# Altium PCB FlatSat Half 2.PcbDoc (part 1 of 9)
Units mil, origin at the board's own origin, x right, y up, seen from the top; angles counter-clockwise.
Board outline 4682 x 11604 mil, 4 copper layers (Top Layer, STR GND 1, STR GND 2, Bottom Layer), stack 33.434 mil thick; 231 components, 255 nets, 990 pads, 1104 vias.
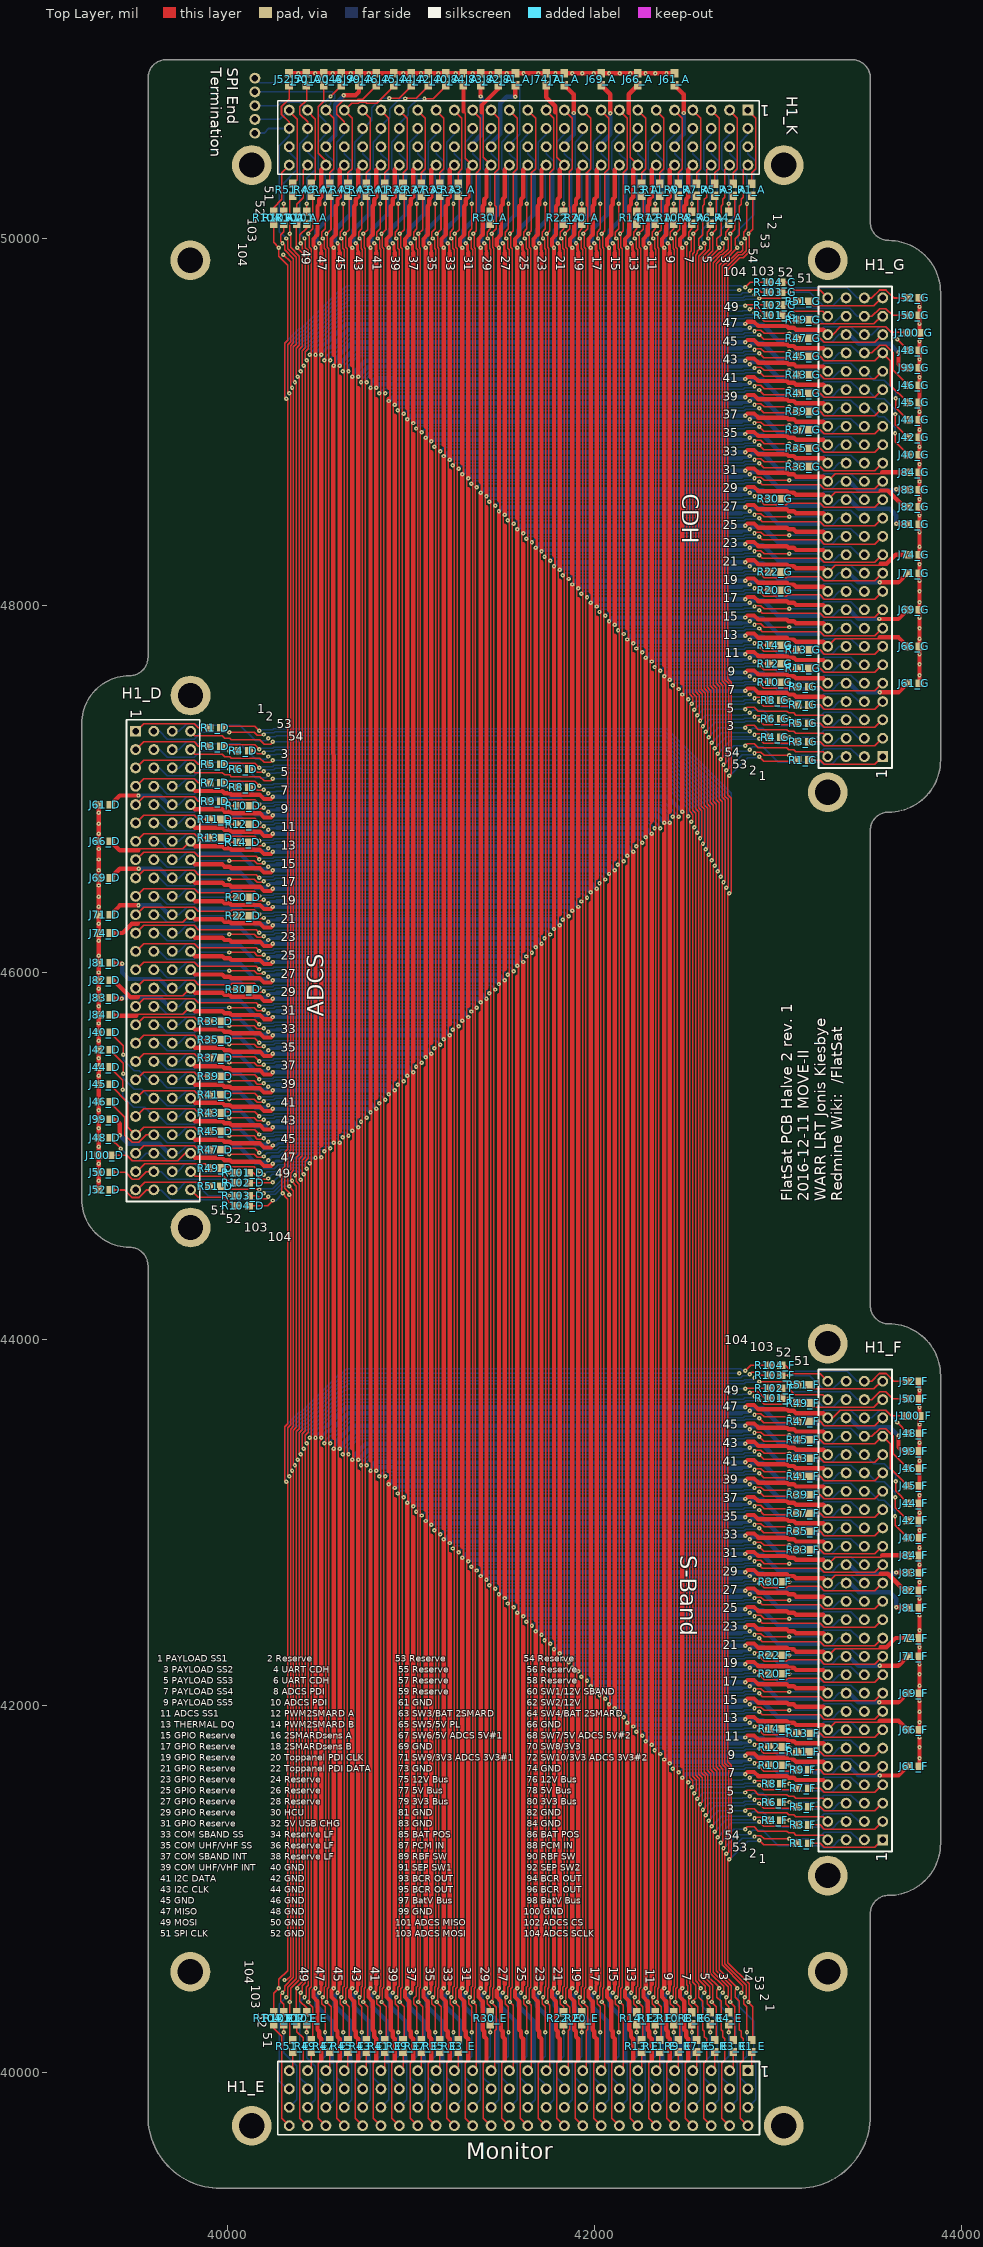
[diagram p0: Top Layer view]
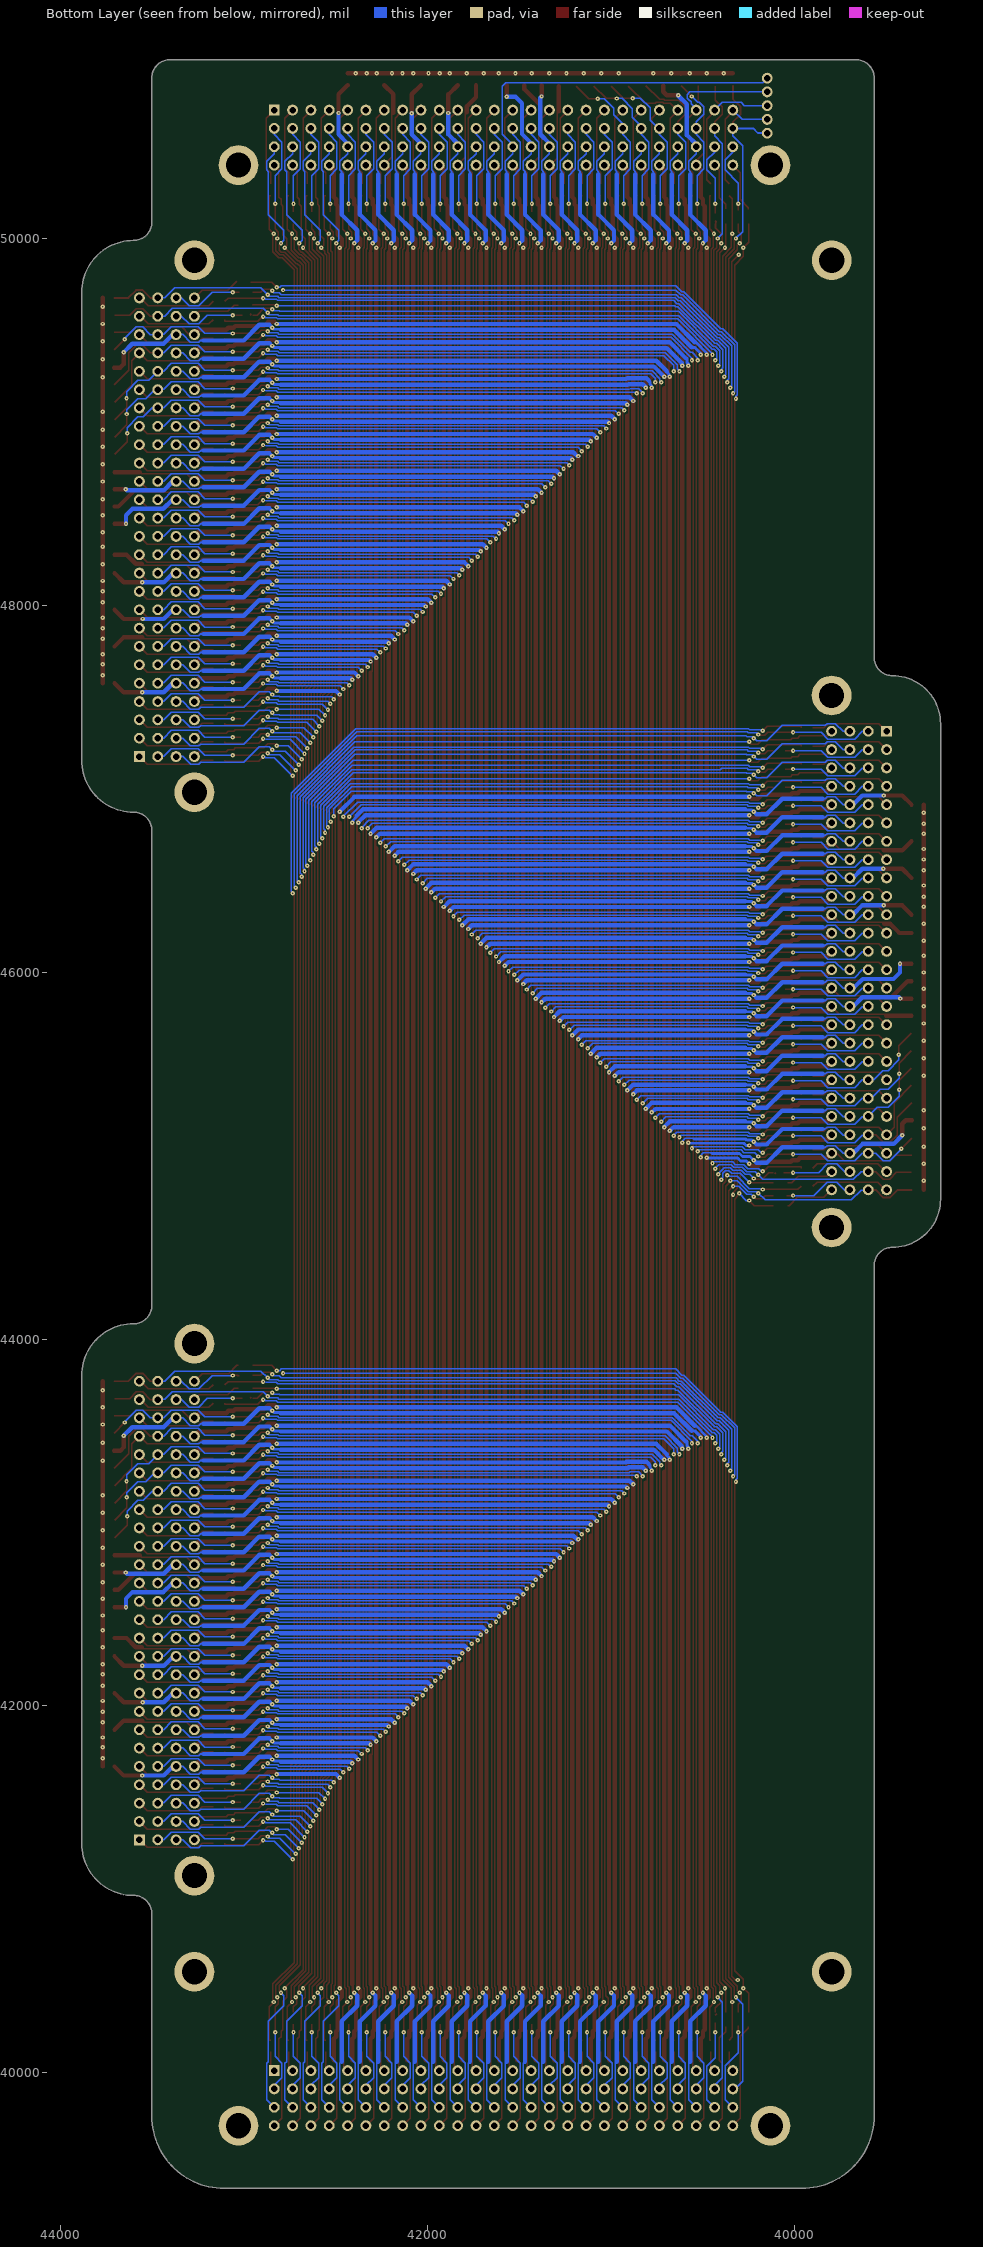
[diagram p1: Bottom Layer view, seen from below]
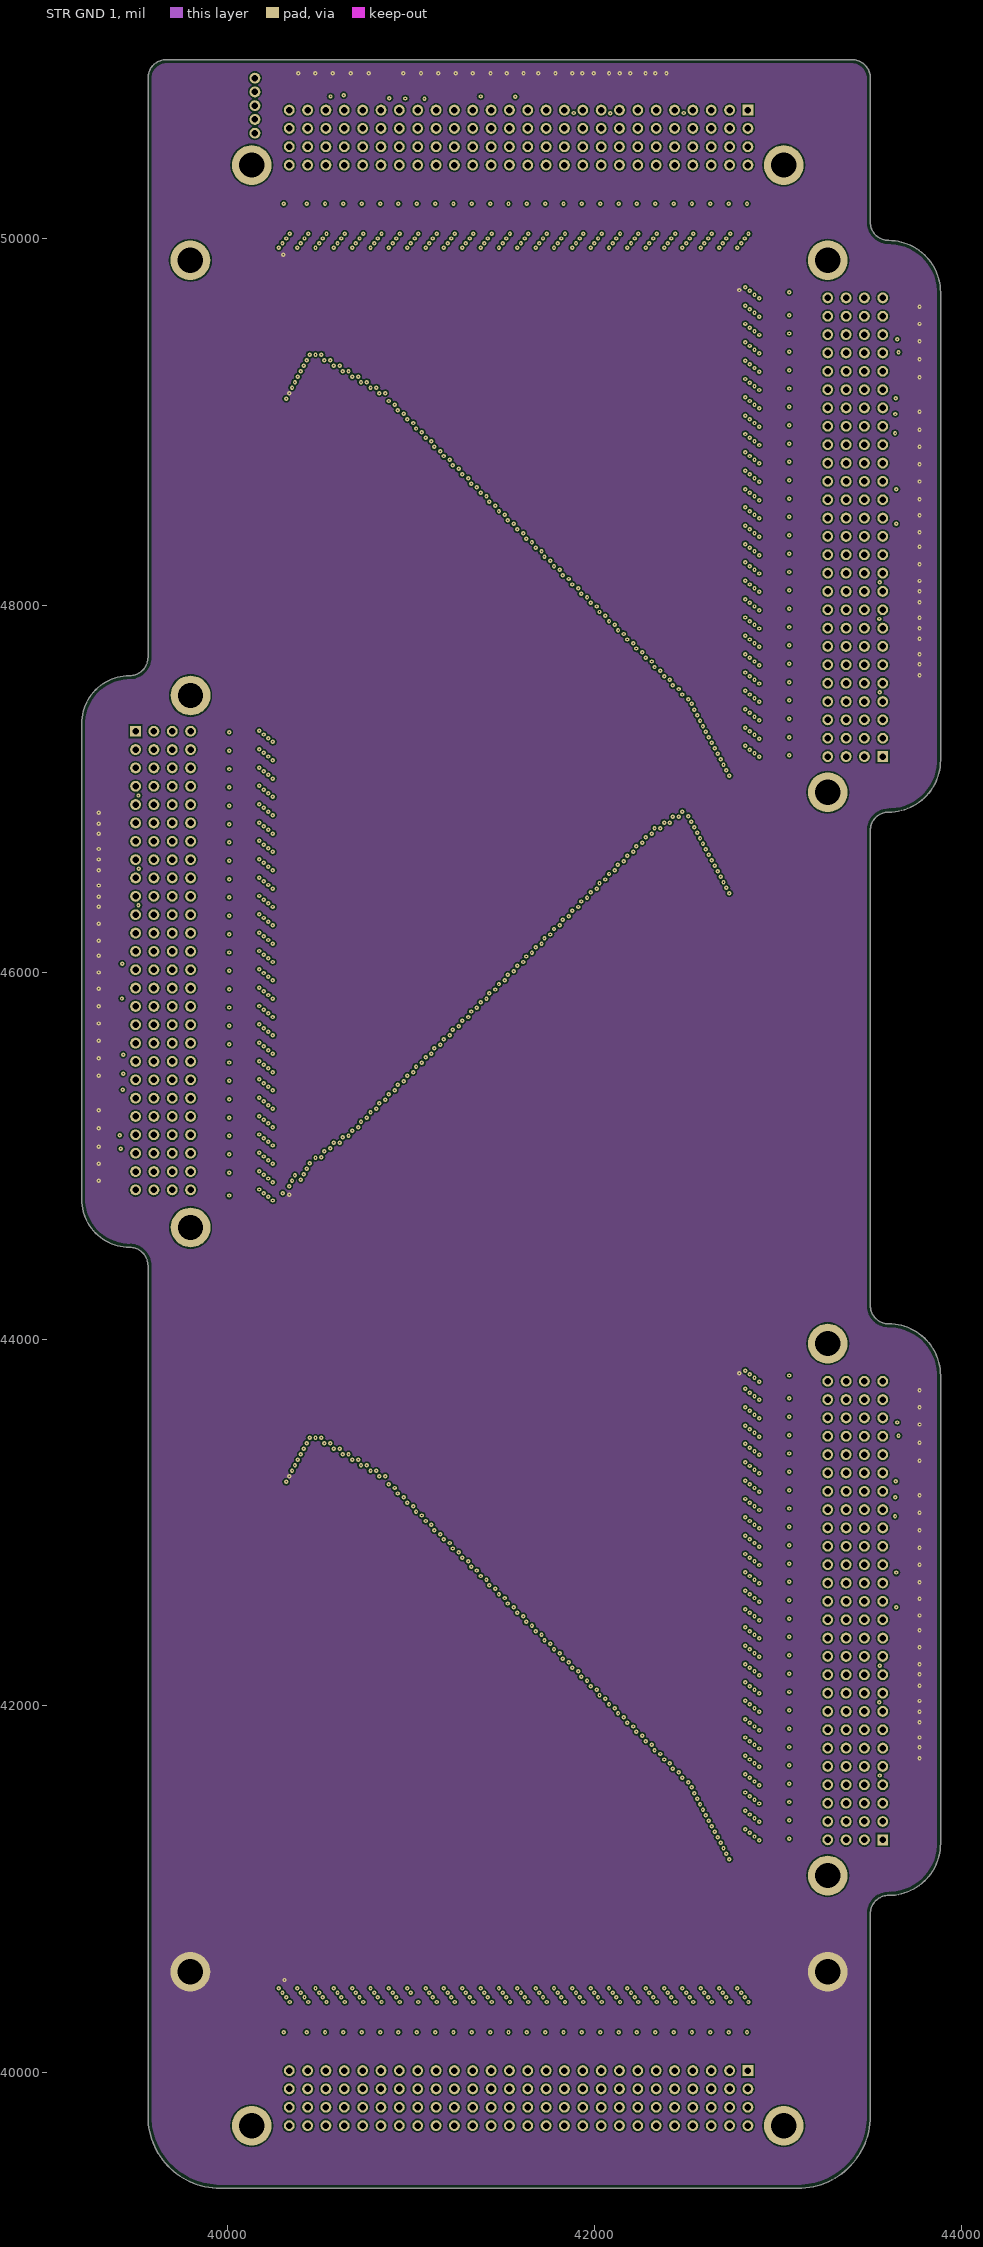
[diagram p2: STR GND 1]
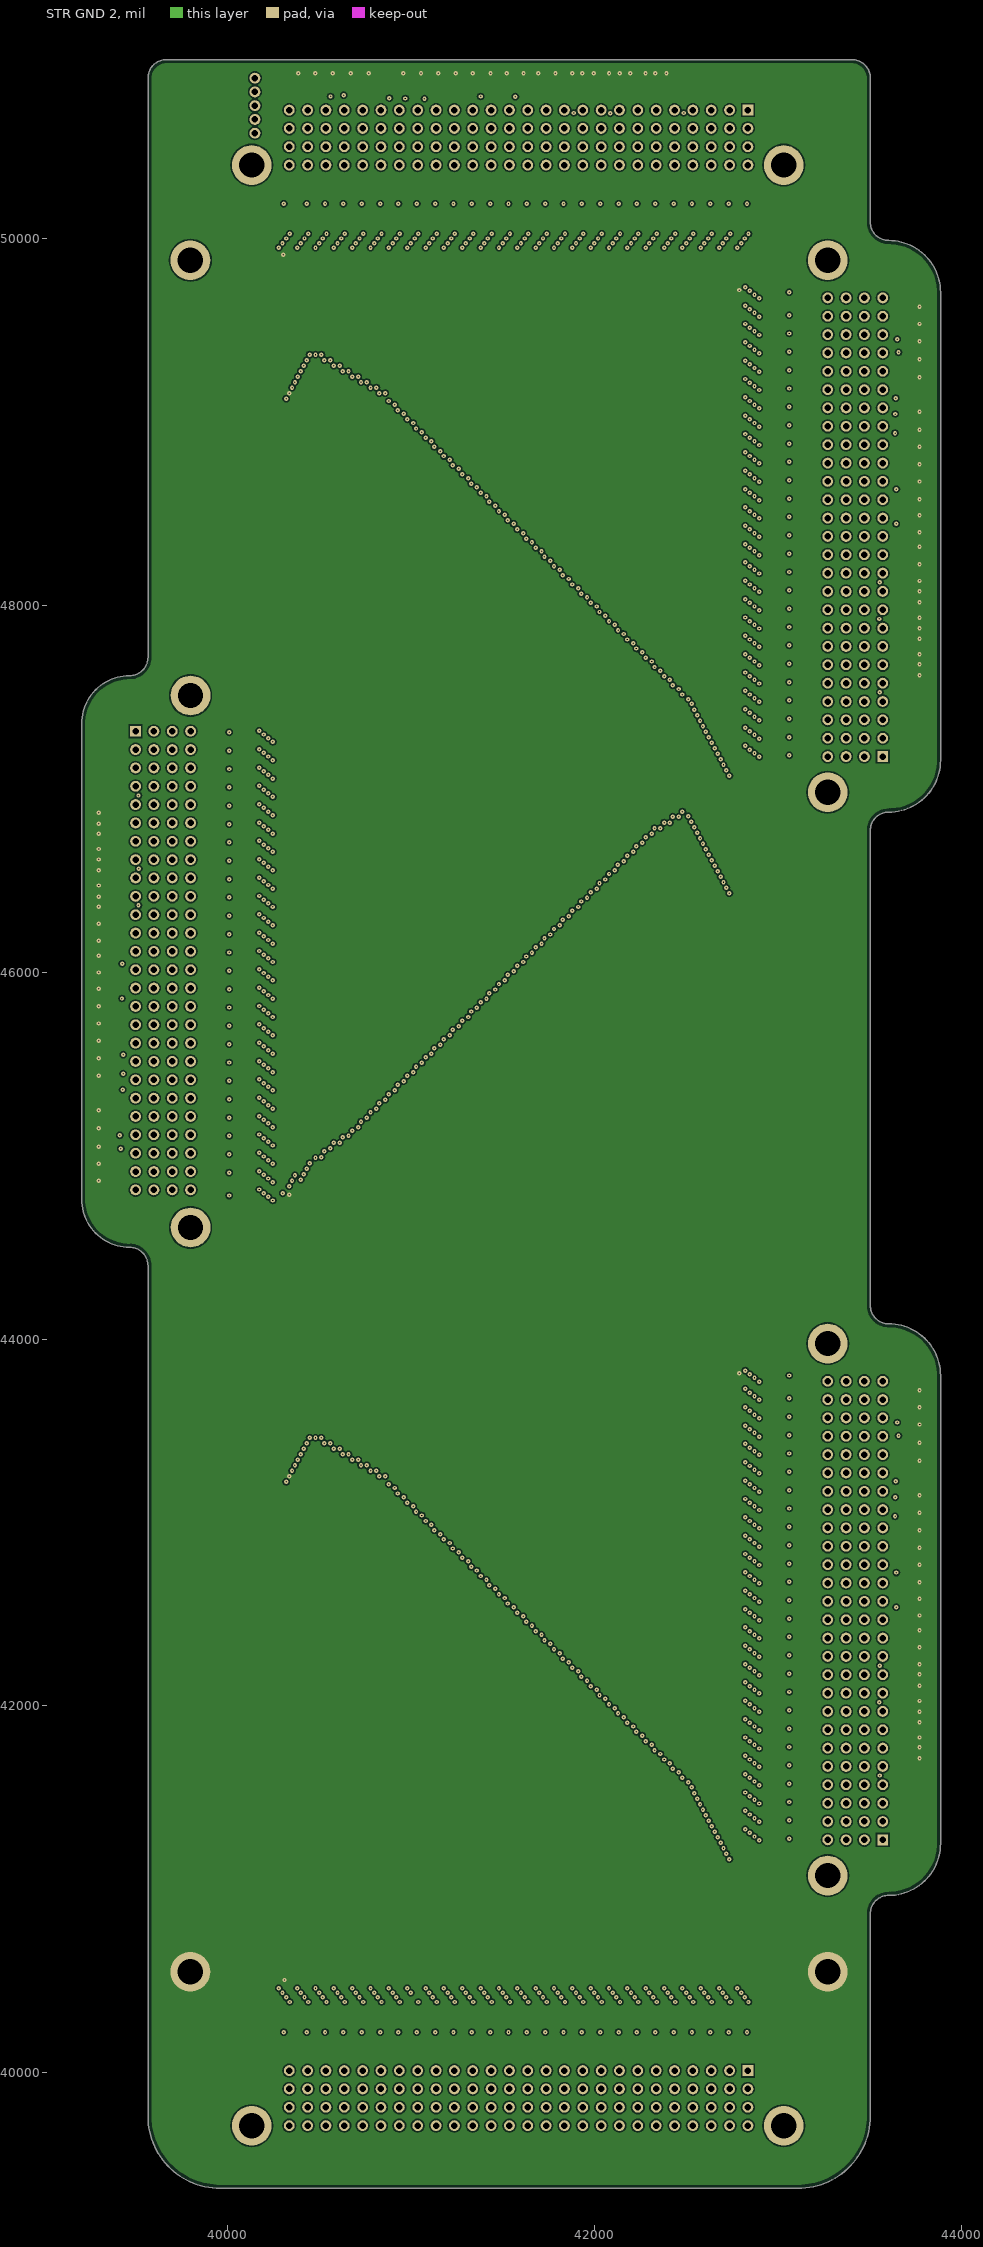
[diagram p3: STR GND 2]

## Layer stack, top to bottom
Top Solder: solder mask 0.4, Solder Resist, Dk 3.5
Top Layer: signal copper 2.8
Dielectric 1: core 10, FR-4, Dk 4.2
STR GND 1: signal copper 1.417
Dielectric 3: prepreg 5, FR-4, Dk 4.2
STR GND 2: signal copper 1.417
Dielectric 2: core 10, FR-4, Dk 4.2
Bottom Layer: signal copper 2.8
Bottom Solder: solder mask 0.4, Solder Resist, Dk 3.5

## Board outline
40343,50974 39667,50974 ccw(c39667,50874) 39567,50874 39567,47716 cw(c39467,47716) 39467,47616 ccw(c39467,47354) 39205,47354 39205,44796 39205,44762 ccw(c39467,44762) 39467,44500 cw(c39467,44400) 39567,44400 39567,40021 39567,39764 ccw(c39961,39764) 39961,39370 39991,39370 43110,39370 ccw(c43110,39764) 43504,39764 43504,40003 43504,40867 cw(c43604,40867) 43604,40967 ccw(c43604,41250) 43887,41250 43887,43794 43887,43800 ccw(c43604,43800) 43604,44083 cw(c43604,44183) 43504,44183 43504,46748 43504,46772 cw(c43604,46772) 43604,46872 ccw(c43604,47155) 43887,47155 43887,47489 43887,49705 ccw(c43604,49705) 43604,49988 cw(c43604,50088) 43504,50088 43504,50145 43504,50874 ccw(c43404,50874) 43404,50974 40363,50974

## Design rules (kind name [scope] priority, off if disabled: settings)
BoardOutlineClearance [All] p1: gap=20
Clearance "Schematic Clearance Constraint_1079" [InNet('STR_GND_A')] p1: gap=8
Clearance "Schematic Clearance Constraint_1078" [InNet('STR_GND_A')] p2: gap=8
Clearance "Schematic Clearance Constraint_1077" [InNet('STR_GND_A')] p3: gap=8
Clearance "Schematic Clearance Constraint_1076" [InNet('STR_GND_A')] p4: gap=8
Clearance "Schematic Clearance Constraint_1075" [InNet('STR_GND_A')] p5: gap=8
Clearance "Schematic Clearance Constraint_1074" [InNet('STR_GND_A')] p6: gap=8
Clearance "Schematic Clearance Constraint_1073" [InNet('STR_GND_A')] p7: gap=8
Clearance "Schematic Clearance Constraint_1072" [InNet('STR_GND_A')] p8: gap=8
Clearance "Schematic Clearance Constraint_1071" [InNet('RESERVED_4')] p9: gap=8
Clearance "Schematic Clearance Constraint_1070" [InNet('RESERVED_4')] p10: gap=8
Clearance "Schematic Clearance Constraint_1069" [InNet('RESERVED_3')] p11: gap=8
Clearance "Schematic Clearance Constraint_1068" [InNet('RESERVED_3')] p12: gap=8
Clearance "Schematic Clearance Constraint_1067" [InNet('RESERVED_3')] p13: gap=8
Clearance "Schematic Clearance Constraint_1066" [InNet('RESERVED_3')] p14: gap=8
Clearance "Schematic Clearance Constraint_1065" [InNet('RESERVED_3')] p15: gap=8
Clearance "Schematic Clearance Constraint_1064" [InNet('RESERVED_3')] p16: gap=8
Clearance "Schematic Clearance Constraint_1063" [InNet('RESERVED_3')] p17: gap=8
Clearance "Schematic Clearance Constraint_1062" [InNet('RESERVED_3')] p18: gap=8
Clearance "Schematic Clearance Constraint_1061" [InNet('RESERVED_2')] p19: gap=8
Clearance "Schematic Clearance Constraint_1060" [InNet('RESERVED_2')] p20: gap=8
Clearance "Schematic Clearance Constraint_1059" [InNet('RESERVED_2')] p21: gap=8
Clearance "Schematic Clearance Constraint_1058" [InNet('RESERVED_2')] p22: gap=8
Clearance "Schematic Clearance Constraint_1057" [InNet('RESERVED_2')] p23: gap=8
Clearance "Schematic Clearance Constraint_1056" [InNet('RESERVED_2')] p24: gap=8
Clearance "Schematic Clearance Constraint_1055" [InNet('RESERVED_2')] p25: gap=8
Clearance "Schematic Clearance Constraint_1054" [InNet('RESERVED_2')] p26: gap=8
Clearance "Schematic Clearance Constraint_1053" [InNet('RESERVED_1')] p27: gap=8
Clearance "Schematic Clearance Constraint_1052" [InNet('RESERVED_1')] p28: gap=8
Clearance "Schematic Clearance Constraint_1051" [InNet('RESERVED_1')] p29: gap=8
Clearance "Schematic Clearance Constraint_1050" [InNet('RESERVED_1')] p30: gap=8
Clearance "Schematic Clearance Constraint_1049" [InNet('RESERVED_1')] p31: gap=8
Clearance "Schematic Clearance Constraint_1048" [InNet('RESERVED_1')] p32: gap=8
Clearance "Schematic Clearance Constraint_1047" [InNet('RESERVED_1')] p33: gap=8
Clearance "Schematic Clearance Constraint_1046" [InNet('RESERVED_1')] p34: gap=8
Clearance "Schematic Clearance Constraint_1045" [InNet('RBF_SW_2')] p35: gap=8
Clearance "Schematic Clearance Constraint_1044" [InNet('RBF_SW_2')] p36: gap=8
Clearance "Schematic Clearance Constraint_1043" [InNet('RBF_SW_2')] p37: gap=8
Clearance "Schematic Clearance Constraint_1042" [InNet('RBF_SW_2')] p38: gap=8
Clearance "Schematic Clearance Constraint_1041" [InNet('RBF_SW_2')] p39: gap=8
Clearance "Schematic Clearance Constraint_1040" [InNet('RBF_SW_2')] p40: gap=8
Clearance "Schematic Clearance Constraint_1039" [InNet('RBF_SW_2')] p41: gap=8
Clearance "Schematic Clearance Constraint_1038" [InNet('RBF_SW_2')] p42: gap=8
Clearance "Schematic Clearance Constraint_1037" [InNet('RBF_SW_1')] p43: gap=8
Clearance "Schematic Clearance Constraint_1036" [InNet('RBF_SW_1')] p44: gap=8
Clearance "Schematic Clearance Constraint_1035" [InNet('RBF_SW_1')] p45: gap=8
Clearance "Schematic Clearance Constraint_1034" [InNet('RBF_SW_1')] p46: gap=8
Clearance "Schematic Clearance Constraint_1033" [InNet('RBF_SW_1')] p47: gap=8
Clearance "Schematic Clearance Constraint_1032" [InNet('RBF_SW_1')] p48: gap=8
Clearance "Schematic Clearance Constraint_1031" [InNet('RBF_SW_1')] p49: gap=8
Clearance "Schematic Clearance Constraint_1030" [InNet('RBF_SW_1')] p50: gap=8
Clearance "Schematic Clearance Constraint_1029" [InNet('PWM2SMARD_B')] p51: gap=8
Clearance "Schematic Clearance Constraint_1028" [InNet('PWM2SMARD_B')] p52: gap=8
Clearance "Schematic Clearance Constraint_1027" [InNet('PWM2SMARD_B')] p53: gap=8
Clearance "Schematic Clearance Constraint_1026" [InNet('PWM2SMARD_B')] p54: gap=8
Clearance "Schematic Clearance Constraint_1025" [InNet('PWM2SMARD_B')] p55: gap=8
Clearance "Schematic Clearance Constraint_1024" [InNet('PWM2SMARD_B')] p56: gap=8
Clearance "Schematic Clearance Constraint_1023" [InNet('PWM2SMARD_B')] p57: gap=8
Clearance "Schematic Clearance Constraint_1022" [InNet('PWM2SMARD_B')] p58: gap=8
Clearance "Schematic Clearance Constraint_1021" [InNet('PWM2SMARD_A')] p59: gap=8
Clearance "Schematic Clearance Constraint_1020" [InNet('PWM2SMARD_A')] p60: gap=8
Clearance "Schematic Clearance Constraint_1019" [InNet('PWM2SMARD_A')] p61: gap=8
Clearance "Schematic Clearance Constraint_1018" [InNet('PWM2SMARD_A')] p62: gap=8
Clearance "Schematic Clearance Constraint_1017" [InNet('PWM2SMARD_A')] p63: gap=8
Clearance "Schematic Clearance Constraint_1016" [InNet('PWM2SMARD_A')] p64: gap=8
Clearance "Schematic Clearance Constraint_1015" [InNet('PWM2SMARD_A')] p65: gap=8
Clearance "Schematic Clearance Constraint_1014" [InNet('PWM2SMARD_A')] p66: gap=8
Clearance "Schematic Clearance Constraint_1013" [InNet('PCM_IN_2')] p67: gap=8
Clearance "Schematic Clearance Constraint_1012" [InNet('PCM_IN_2')] p68: gap=8
Clearance "Schematic Clearance Constraint_1011" [InNet('PCM_IN_2')] p69: gap=8
Clearance "Schematic Clearance Constraint_1010" [InNet('PCM_IN_2')] p70: gap=8
Clearance "Schematic Clearance Constraint_1009" [InNet('PCM_IN_2')] p71: gap=8
Clearance "Schematic Clearance Constraint_1008" [InNet('PCM_IN_2')] p72: gap=8
Clearance "Schematic Clearance Constraint_1007" [InNet('PCM_IN_2')] p73: gap=8
Clearance "Schematic Clearance Constraint_1006" [InNet('PCM_IN_2')] p74: gap=8
Clearance "Schematic Clearance Constraint_1005" [InNet('PCM_IN_1')] p75: gap=8
Clearance "Schematic Clearance Constraint_1004" [InNet('PCM_IN_1')] p76: gap=8
Clearance "Schematic Clearance Constraint_1003" [InNet('PCM_IN_1')] p77: gap=8
Clearance "Schematic Clearance Constraint_1002" [InNet('PCM_IN_1')] p78: gap=8
Clearance "Schematic Clearance Constraint_1001" [InNet('PCM_IN_1')] p79: gap=8
Clearance "Schematic Clearance Constraint_1000" [InNet('PCM_IN_1')] p80: gap=8
Clearance "Schematic Clearance Constraint_999" [InNet('PCM_IN_1')] p81: gap=8
Clearance "Schematic Clearance Constraint_998" [InNet('PCM_IN_1')] p82: gap=8
Clearance "Schematic Clearance Constraint_997" [InNet('PAYLOAD_SS5')] p83: gap=8
Clearance "Schematic Clearance Constraint_996" [InNet('PAYLOAD_SS5')] p84: gap=8
Clearance "Schematic Clearance Constraint_995" [InNet('PAYLOAD_SS5')] p85: gap=8
Clearance "Schematic Clearance Constraint_994" [InNet('PAYLOAD_SS5')] p86: gap=8
Clearance "Schematic Clearance Constraint_993" [InNet('PAYLOAD_SS5')] p87: gap=8
Clearance "Schematic Clearance Constraint_992" [InNet('PAYLOAD_SS5')] p88: gap=8
Clearance "Schematic Clearance Constraint_991" [InNet('PAYLOAD_SS5')] p89: gap=8
Clearance "Schematic Clearance Constraint_990" [InNet('PAYLOAD_SS5')] p90: gap=8
Clearance "Schematic Clearance Constraint_989" [InNet('PAYLOAD_SS4')] p91: gap=8
Clearance "Schematic Clearance Constraint_988" [InNet('PAYLOAD_SS4')] p92: gap=8
Clearance "Schematic Clearance Constraint_987" [InNet('PAYLOAD_SS4')] p93: gap=8
Clearance "Schematic Clearance Constraint_986" [InNet('PAYLOAD_SS4')] p94: gap=8
Clearance "Schematic Clearance Constraint_985" [InNet('PAYLOAD_SS4')] p95: gap=8
Clearance "Schematic Clearance Constraint_984" [InNet('PAYLOAD_SS4')] p96: gap=8
Clearance "Schematic Clearance Constraint_983" [InNet('PAYLOAD_SS4')] p97: gap=8
Clearance "Schematic Clearance Constraint_982" [InNet('PAYLOAD_SS4')] p98: gap=8
Clearance "Schematic Clearance Constraint_981" [InNet('PAYLOAD_SS3')] p99: gap=8
Clearance "Schematic Clearance Constraint_980" [InNet('PAYLOAD_SS3')] p100: gap=8
Clearance "Schematic Clearance Constraint_979" [InNet('PAYLOAD_SS3')] p101: gap=8
Clearance "Schematic Clearance Constraint_978" [InNet('PAYLOAD_SS3')] p102: gap=8
Clearance "Schematic Clearance Constraint_977" [InNet('PAYLOAD_SS3')] p103: gap=8
Clearance "Schematic Clearance Constraint_976" [InNet('PAYLOAD_SS3')] p104: gap=8
Clearance "Schematic Clearance Constraint_975" [InNet('PAYLOAD_SS3')] p105: gap=8
Clearance "Schematic Clearance Constraint_974" [InNet('PAYLOAD_SS3')] p106: gap=8
Clearance "Schematic Clearance Constraint_973" [InNet('PAYLOAD_SS2')] p107: gap=8
Clearance "Schematic Clearance Constraint_972" [InNet('PAYLOAD_SS2')] p108: gap=8
Clearance "Schematic Clearance Constraint_971" [InNet('PAYLOAD_SS2')] p109: gap=8
Clearance "Schematic Clearance Constraint_970" [InNet('PAYLOAD_SS2')] p110: gap=8
Clearance "Schematic Clearance Constraint_969" [InNet('GND_17')] p111: gap=8
Clearance "Schematic Clearance Constraint_968" [InNet('GND_17')] p112: gap=8
Clearance "Schematic Clearance Constraint_967" [InNet('GND_17')] p113: gap=8
Clearance "Schematic Clearance Constraint_966" [InNet('GND_17')] p114: gap=8
Clearance "Schematic Clearance Constraint_965" [InNet('GND_17')] p115: gap=8
Clearance "Schematic Clearance Constraint_964" [InNet('GND_17')] p116: gap=8
Clearance "Schematic Clearance Constraint_963" [InNet('PAYLOAD_SS2')] p117: gap=8
Clearance "Schematic Clearance Constraint_962" [InNet('PAYLOAD_SS2')] p118: gap=8
Clearance "Schematic Clearance Constraint_961" [InNet('PAYLOAD_SS2')] p119: gap=8
Clearance "Schematic Clearance Constraint_960" [InNet('PAYLOAD_SS2')] p120: gap=8
Clearance "Schematic Clearance Constraint_959" [InNet('PAYLOAD_SS1')] p121: gap=8
Clearance "Schematic Clearance Constraint_958" [InNet('PAYLOAD_SS1')] p122: gap=8
Clearance "Schematic Clearance Constraint_957" [InNet('PAYLOAD_SS1')] p123: gap=8
Clearance "Schematic Clearance Constraint_956" [InNet('PAYLOAD_SS1')] p124: gap=8
Clearance "Schematic Clearance Constraint_955" [InNet('PAYLOAD_SS1')] p125: gap=8
Clearance "Schematic Clearance Constraint_954" [InNet('PAYLOAD_SS1')] p126: gap=8
Clearance "Schematic Clearance Constraint_953" [InNet('PAYLOAD_SS1')] p127: gap=8
Clearance "Schematic Clearance Constraint_952" [InNet('PAYLOAD_SS1')] p128: gap=8
Clearance "Schematic Clearance Constraint_951" [InNet('MOSI')] p129: gap=8
Clearance "Schematic Clearance Constraint_950" [InNet('MOSI')] p130: gap=8
Clearance "Schematic Clearance Constraint_949" [InNet('MOSI')] p131: gap=8
Clearance "Schematic Clearance Constraint_948" [InNet('MOSI')] p132: gap=8
Clearance "Schematic Clearance Constraint_947" [InNet('MOSI')] p133: gap=8
Clearance "Schematic Clearance Constraint_946" [InNet('MOSI')] p134: gap=8
Clearance "Schematic Clearance Constraint_945" [InNet('MOSI')] p135: gap=8
Clearance "Schematic Clearance Constraint_944" [InNet('MOSI')] p136: gap=8
Clearance "Schematic Clearance Constraint_943" [InNet('MISO')] p137: gap=8
Clearance "Schematic Clearance Constraint_942" [InNet('MISO')] p138: gap=8
Clearance "Schematic Clearance Constraint_941" [InNet('MISO')] p139: gap=8
Clearance "Schematic Clearance Constraint_940" [InNet('MISO')] p140: gap=8
Clearance "Schematic Clearance Constraint_939" [InNet('MISO')] p141: gap=8
Clearance "Schematic Clearance Constraint_938" [InNet('MISO')] p142: gap=8
Clearance "Schematic Clearance Constraint_937" [InNet('MISO')] p143: gap=8
Clearance "Schematic Clearance Constraint_936" [InNet('MISO')] p144: gap=8
Clearance "Schematic Clearance Constraint_935" [InNet('I2C_DATA')] p145: gap=8
Clearance "Schematic Clearance Constraint_934" [InNet('I2C_DATA')] p146: gap=8
Clearance "Schematic Clearance Constraint_933" [InNet('I2C_DATA')] p147: gap=8
Clearance "Schematic Clearance Constraint_932" [InNet('I2C_DATA')] p148: gap=8
Clearance "Schematic Clearance Constraint_931" [InNet('I2C_DATA')] p149: gap=8
Clearance "Schematic Clearance Constraint_930" [InNet('I2C_DATA')] p150: gap=8
Clearance "Schematic Clearance Constraint_929" [InNet('I2C_DATA')] p151: gap=8
Clearance "Schematic Clearance Constraint_928" [InNet('I2C_DATA')] p152: gap=8
Clearance "Schematic Clearance Constraint_927" [InNet('I2C_CLK')] p153: gap=8
Clearance "Schematic Clearance Constraint_926" [InNet('I2C_CLK')] p154: gap=8
Clearance "Schematic Clearance Constraint_925" [InNet('I2C_CLK')] p155: gap=8